# KiCad board VNA.kicad_pcb (continued)
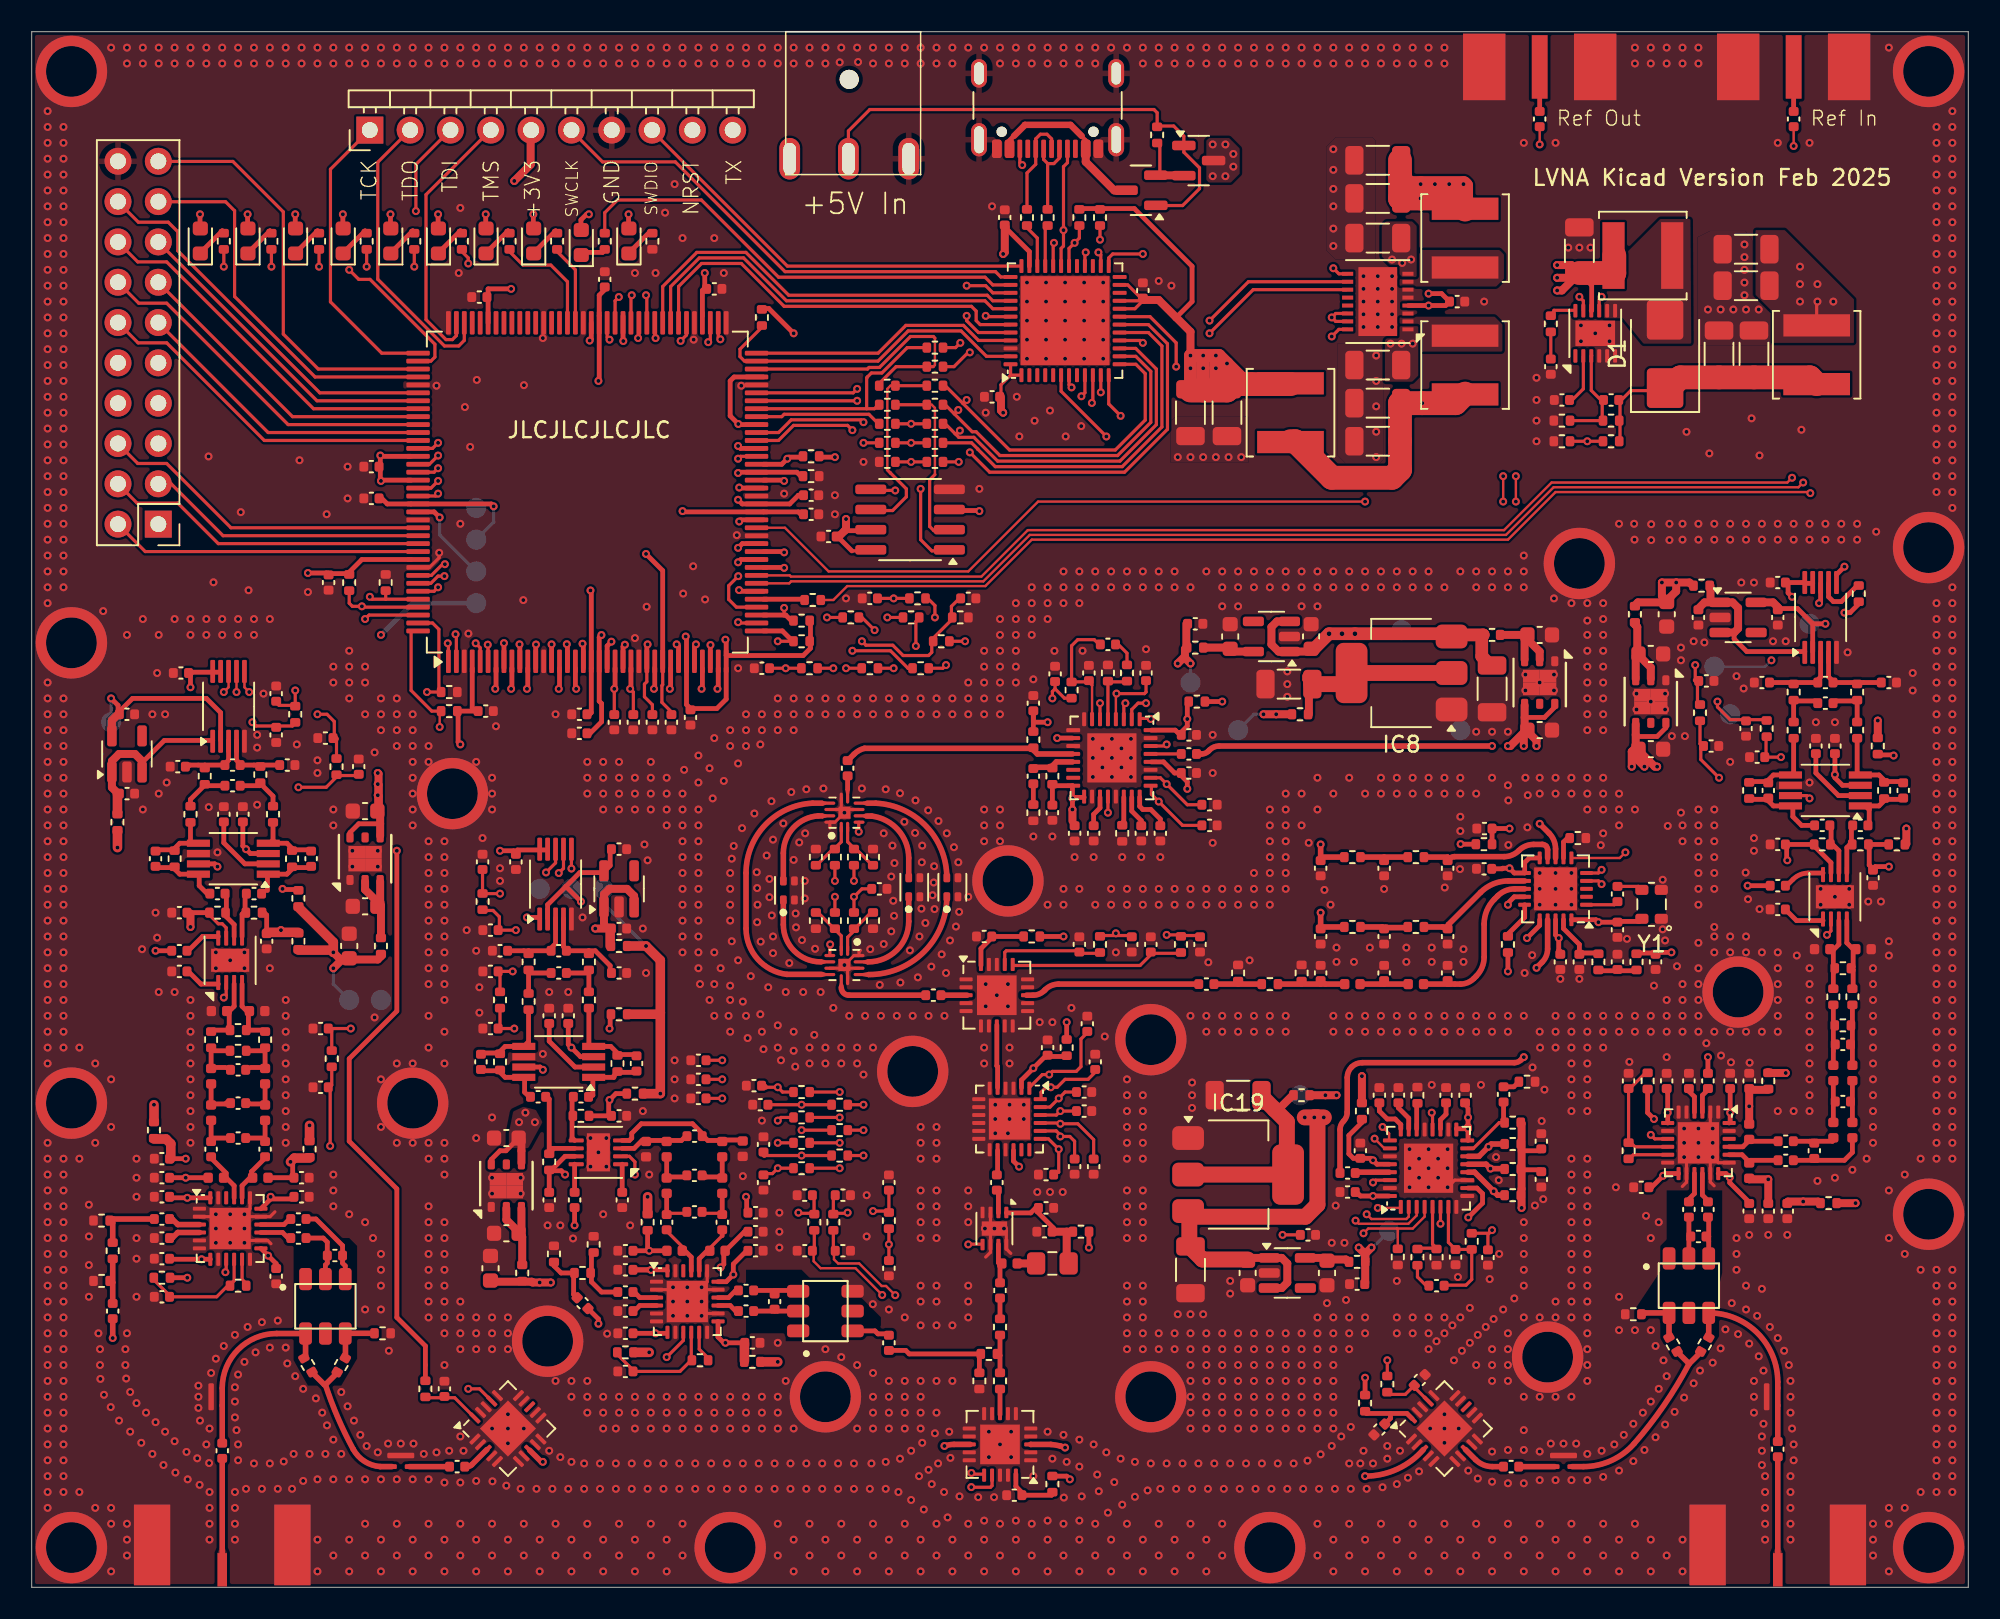
[diagram p0: board, top side]
## Routing (per net, layer and track width the routed paths; a pad name or vN(x,y) marks a point on that pad's centre or on a via; arc(x,y) is an arc through that point) (continued)
Net-(C130-Pad1): length 3.5
  Top w0.2: 13.65,32.6 13.8,32.75
  Top w0.3: 13.56,33.8 14.56,33.8 14.7,33.94 14.7,32.75 13.8,32.75
Net-(C130-Pad2): length 3.5
  Top w0.2: 11.3,33.85 11.35,33.8 ; 12.35,32.6 12.2,32.75
  Top w0.3: 11.3,33.94 11.3,32.75 12.2,32.75 ; 11.35,33.8 12.44,33.8
Net-(C133-Pad2): length 2.2
  Top w0.35: 93.76,7.6 R40.2
Net-(C136-Pad1): length 7
  Top w0.35: J3.1 110,8.14
Net-(C149-Pad2): length 5.2
  Top w0.3: 111,53.44 111,51.32 110.85,51.17 109.73,51.17 109.4,50.85 109.4,50.76 108.2,50.76
Net-(C150-Pad1): length 5.3
  Top w0.3: 115,53.44 115,51.32 115.15,51.17 116.38,51.17 116.7,50.85 116.7,50.76 117.9,50.76
Net-(C156-Pad1): length 11
  Top w0.5: 108.2,25.7 108.2,25.7 v1(109.4,25.7) 109.4,24.26 ; 108.2,29.25 v1(108.2,30.3) 108.2,31.34 109.4,31.34
  In3.Cu w0.5: v1(108.2,30.3) 108.2,26.9 v1(109.4,25.7)
Net-(C157-Pad2): length 4.7
  Top w0.3: 114.7,28.25 114.7,27.4 114.2,26.9 111.06,26.9
Net-(C158-Pad1): length 2.8
  Top w0.3: 112.44,55.7 112.3,55.84 111,55.84 111,54.56
Net-(C158-Pad2): length 2.8
  Top w0.3: 115,54.56 115,55.84 113.7,55.84 113.56,55.7
Net-(C160-Pad2): length 2.5
  Top w0.3: 111.06,28.1 113.45,28.1 113.45,28.2
Net-(C165-Pad1): length 2.5
  Top w0.3: 114.7,29.35 114.7,31.85
Net-(C165-Pad2): length 2.5
  Top w0.3: 113.5,29.35 113.5,31.85
Net-(C167-Pad1): length 3.7
  Top w0.3: 114.7,36.64 114.7,32.95
Net-(C167-Pad2): length 3.7
  Top w0.3: 113.5,36.64 113.5,32.95
Net-(C173-Pad2): length 5.3
  Top w0.3: 31.3,36.34 31.3,34.37 IC32.5 29.83,34.07 29.5,33.75 29.5,33.66 28.3,33.66
Net-(C174-Pad1): length 5.4
  Top w0.3: 35.1,36.44 35.1,34.22 35.25,34.07 ; 38.1,33.56 36.9,33.56 36.9,33.65 36.47,34.07 35.35,34.07
Net-(C183-Pad1): length 3.7
  Top w0.3: 35.4,21.04 35.26,20.9 35.26,19.24 35.9,18.6 36.84,18.6
Net-(C184-Pad1): length 2.8
  Top w0.3: 32.64,38.7 31.35,38.7 31.35,38.79 ; 31.3,37.46 31.3,38.84
Net-(C184-Pad2): length 2.7
  Top w0.3: 35.05,38.79 35.05,38.7 33.76,38.7 ; 35.1,37.56 35.1,38.84
Net-(C190-Pad1): length 11
  Top w0.3: 37.96,21.2 v1(38.9,21.2) ; v1(38.9,21.2) 38.8,21.3 38.8,22.44 ; v1(38.9,21.2) 39.95,21.2 ; 45.04,22.4 44.9,22.4 43.75,21.25 ; v1(43.4,20.15) 43.6,20.35 43.6,21.05
  In3.Cu w0.6: v1(43.4,20.15) 42.35,21.2 v1(38.9,21.2)
Net-(C191-Pad2): length 2.3
  Top w0.2: 43.5,23.56 42.4,23.56
  Top w0.3: 43.5,23.56 43.5,24.75
Net-(C192-Pad2): length 2.3
  Top w0.2: 40,23.56 41.1,23.56
  Top w0.3: 40,23.56 40,24.75
Net-(C196-Pad1): length 2.4
  Top w0.3: 43.5,27.05 43.5,25.85 42.5,25.85 42.4,25.95 42.31,25.95
Net-(C196-Pad2): length 2.4
  Top w0.3: 40,27.05 40,25.85 41.09,25.85 41.19,25.95
Net-(C270-Pad2): length 3.3
  Top w0.3: 32.9,20.44 32.9,20.25 33.35,19.8 34.14,19.8 34.14,18.45 34.35,18.24
Net-(IC22-IN+): length 4.3
  Top w0.3: 11.34,35.1 12.44,35.1 12.44,36.21 12.35,36.3 12.45,36.3 12.75,36.6 12.75,38
Net-(IC22-IN-): length 4.3
  Top w0.3: 13.65,36.3 13.65,35.19 13.56,35.1 14.66,35.1 ; 13.25,38 13.25,36.6 13.55,36.3 13.65,36.3
Net-(IC22-LO+): length 2.3
  Top w0.3: 11.75,41 10.76,41 9.86,40.1
Net-(IC22-LO-): length 2.2
  Top w0.3: 11.75,38 10.66,38 9.86,38.8
Net-(IC22-OUT+): length 2.9
  Top w0.3: 12.26,43.7 12.26,42.24 12.75,41.75 12.75,41
Net-(IC22-OUT-): length 2.8
  Top w0.3: 13.25,41 13.25,42.4 13.35,42.5 13.44,42.5 13.44,43.7
Net-(IC22-VCC): length 14.4
  Top w0.2: 12.25,41 12.25,41.55 12,41.8 11.75,41.8 11.14,42.41
  Top w0.3: 10,42.45 9.95,42.5 9.86,42.5 11.14,42.5 ; 14.8,41.26 14.8,42.35 14.65,42.5 14.56,42.5
  Top w0.5: 14.8,41.26 15.56,41.26 v1(15.7,41.4) ; 10,42.45 v1(10,41.6)
  Top w0.6: 16.8,41.26 14.8,41.26
  In3.Cu w0.6: v1(10,41.6) 15.5,41.6 v1(15.7,41.4)
Net-(IC23-+): length 4.5
  Top w0.3: 11.14,43.7 11.05,43.7 10.55,44.2 10.55,44.92 9.33,44.92 9,45.25 9,45.34 7.8,45.34
Net-(IC23--): length 4.4
  Top w0.2: 14.56,43.7 14.76,43.9 14.85,43.9
  Top w0.3: 17.6,45.34 16.4,45.34 16.4,45.25 16.08,44.92 14.85,44.92 14.85,43.9
Net-(IC23-V_{OCM}): length 4.5
  Top w0.3: 14.85,45.57 13.42,45.57 12.1,46.9 12.1,48.14
Net-(IC23-V_{S+}): length 7.7
  Top w0.3: 16.8,43.96 15.84,43.96 v1(15.8,44) ; 13.3,48.14 13.3,46.7 v1(13.5,46.5) 13.78,46.22 14.85,46.22
  In3.Cu w0.3: v1(15.8,44) 13.5,46.3 v1(13.5,46.5)
Net-(IC24-DETO): length 1.7
  Top w0.2: 13.25,20.67 13.25,19.4 13.56,19.09
Net-(IC24-IN+): length 2
  Top w0.3: 14.43,22.35 15.8,22.35 16.15,22 16.24,22
Net-(IC24-IN-): length 2
  Top w0.3: 16.24,23.2 15.89,22.85 14.43,22.85
Net-(IC24-LO-): length 2
  Top w0.35: 8.76,22 8.85,22 9.2,22.35 10.57,22.35
Net-(IC24-OUT+): length 3.2
  Top w0.3: 13.25,24.53 13.25,25.3 13.75,25.8 13.85,25.8 13.85,26.19 14.7,27.04
Net-(IC24-OUT-): length 3.2
  Top w0.3: 12.75,24.53 12.75,25.3 12.25,25.8 ; 12.25,25.8 12.25,26.09 11.3,27.04 ; 12.25,25.8 12.15,25.8
Net-(IC24-VPDT): length 28.7
  Top w0.3: 15.05,24.47 16.31,24.47 16.44,24.6 ; 15.05,24.47 v1(15.05,24.6) ; 15.05,24.47 14.43,23.85 ; 11.25,20.67 v1(10.7,20.67) 8.88,20.67 8.85,20.7 8.76,20.7 ; C106.1 15.4,20.38 v1(14.89,20.89) 14.43,21.35 ; 8.76,27 v1(9.7,27) ; 11.25,24.53 v1(9.8,24.53) 8.83,24.53 8.76,24.6
  Top w0.6: 7.7,28.24 8.46,28.24 8.76,27.94 8.76,27
  In3.Cu w0.6: v1(10.7,20.67) 10.93,20.89 v1(14.89,20.89) 14.89,24.44 v1(15.05,24.6) 14.98,24.53 v1(9.8,24.53) 8.9,25.43 8.9,26.2 v1(9.7,27)
Net-(IC24-VSET): length 7.3
  Top w0.2: 12.75,20.67 12.75,19.31 12.44,19 ; 12.35,19 11.65,18.3 8.76,18.3 7.64,19.42
Net-(IC25-EN): length 11.3
  Top w0.3: 6.95,52 7,52 8.35,53.35 11.4,53.35
  Top w0.5: 6.95,51.48 6.95,52.05 6.5,52.5 5.5,52.5 5.05,52.05 IC25.1 5.05,50.39 5.44,50
  Top w0.6: 5.44,50 5.4,49.96 5.4,48.76
Net-(IC25-OUT): length 13.3
  Top w0.3: 11.9,53.35 11.9,55.1 11,56 6.35,56 5.44,55.09 ; v1(5,56) 5.44,55.56 5.44,55
  Top w0.5: 5.05,53.52 5.05,54.61 5.44,55
  Bottom w0.2: TP17.1 v1(5,56)
Net-(IC26-AIN+): length 4.2
  Top w0.3: 10.9,51.8 12.09,51.8 12.4,52.11 12.4,53.35 ; 10.9,51.8 10.9,51.66 ; 10.9,51.8 9.95,51.8 9.85,51.7 9.76,51.7
Net-(IC26-AIN-): length 4
  Top w0.3: 12.9,53.35 12.9,52.11 13.21,51.8 15.54,51.8
Net-(IC27-IN+): length 4.6
  Top w0.3: 113.5,40.15 113.5,37.76 ; 113.5,40.15 113.85,40.5 113.85,42 ; 113.5,40.15 113.45,40.2 113.35,40.2
Net-(IC27-IN-): length 4.5
  Top w0.3: 114.75,40.2 114.85,40.2 ; 114.75,40.2 114.35,40.6 114.35,42 ; 114.75,40.2 114.75,39.09 114.66,39 114.75,38.91 114.75,37.81
Net-(IC27-LO+): length 2.6
  Top w0.3: 112.85,45 111.92,45 arc(111.4,44.89) 110.96,44.6 110.56,44.2
Net-(IC27-LO-): length 2.7
  Top w0.3: 112.85,42 111.18,42 C134.2
Net-(IC27-OUT+): length 3.3
  Top w0.3: 113.85,45 113.85,46.4 113.45,46.8 113.36,46.8 113.36,48
Net-(IC27-OUT-): length 3.2
  Top w0.3: 114.35,45 114.35,46.6 114.55,46.8 114.64,46.8 114.64,48
Net-(IC27-VCC): length 15.4
  Top w0.3: 113.35,45 113.35,45.65 112.2,46.8 ; v1(110.6,45.8) 110.56,45.84 110.56,46.8 112.24,46.8 ; 116.94,46.8 115.76,46.8 115.76,45.5 116,45.26 116.14,45.4 v1(117,45.4)
  In3.Cu w0.3: v1(117,45.4) 111,45.4 v1(110.6,45.8)
Net-(IC28-+): length 5.1
  Top w0.3: 108.2,49.64 109.4,49.64 109.4,49.55 109.73,49.22 110.85,49.22 110.95,49.13 110.95,48.55 111.5,48 112.24,48
Net-(IC28--): length 3.7
  Top w0.3: 115.7,49.22 116.38,49.22 116.7,49.55 116.7,49.64 117.9,49.64 ; 115.52,49.22 115.76,48.98 115.76,48
Net-(IC28-V_{OCM}): length 4.5
  Top w0.3: 115.15,49.87 113.83,49.87 112.4,51.3 112.4,52.44
Net-(IC28-V_{S+}): length 8.4
  Top w0.3: 115.15,50.52 114.08,50.52 113.6,51 v1(113.6,51.2) 113.6,52.44 ; v1(117.3,52.4) 117.26,52.44 116.3,52.44
  In3.Cu w0.3: v1(113.6,51.2) 114.8,52.4 v1(117.3,52.4)
Net-(IC29-DETO): length 2.6
  Top w0.2: 103.07,27.25 100.91,27.25 100.6,26.94
Net-(IC29-IN+): length 1.9
  Top w0.3: 104.75,26.07 104.75,24.8 104.4,24.45 104.4,24.36
Net-(IC29-IN-): length 1.9
  Top w0.3: 105.6,24.36 105.25,24.71 105.25,26.07
Net-(IC29-LO+): length 1.6
  Top w0.3: 105.25,29.93 105.25,30.99 105.6,31.34
Net-(IC29-LO-): length 1.6
  Top w0.3: 104.75,29.93 104.75,30.9 104.4,31.25 104.4,31.34
Net-(IC29-OUT+): length 3.2
  Top w0.3: 109.94,26.9 108.3,26.9 108.2,26.8 107.75,27.25 106.93,27.25
Net-(IC29-OUT-): length 3.1
  Top w0.3: 106.93,27.75 107.8,27.75 108.12,28.08 ; 108.15,28.1 109.94,28.1
Net-(IC29-VPDT): length 29
  Top w0.3: 106.93,29.25 107,29.32 v1(107,29.9) 107,31.34 ; 101.96,25.2 102.05,25.2 v1(102.77,25.92) 102.92,26.07 103.75,26.07 ; 106.25,26.07 106.73,26.07 v1(106.98,25.82) 106.98,25.48 108.2,24.26 ; 103.07,29.25 v1(103.07,29.9) 103.07,31.18 103,31.25 103,31.34
  Top w0.5: 112.64,24.2 112.54,24.3 v1(111.6,24.3) 110.64,24.3 110.6,24.26
  In3.Cu w0.5: v1(102.77,25.92) 103.4,26.55 103.45,26.55 ; v1(107,29.9) 107,25.85 v1(106.98,25.82) ; v1(111.6,24.3) 108.5,24.3 v1(106.98,25.82) ; v1(106.98,25.82) 104.17,25.82 103.45,26.55 ; 103.45,26.55 103.07,26.93 v1(103.07,29.9)
Net-(IC29-VSET): length 7.4
  Top w0.2: 101.72,32.46 100.6,31.34 100.6,28.1 ; 103.07,27.75 101,27.75 100.65,28.1
Net-(IC30-EN): length 11.5
  Top w0.3: 107.25,60.15 107.25,59.75 108.05,58.95 111.7,58.95
  Top w0.5: 105.76,63.1 105.76,62.09 105.8,62.05 ; 105.8,62.05 105.39,62.05 105,61.66 ; 105.8,62.05 107.15,62.05 107.5,61.7 107.5,60.4 107.25,60.15 106.48,60.15
Net-(IC30-OUT): length 7.8
  Top w0.3: 112.2,58.95 112.2,60.7 ; 112.2,60.7 v1(113,60.7) ; 112.2,60.7 111.24,61.66 110,61.66
  Top w0.5: 110,61.66 110,61.75 109.7,62.05 108.52,62.05
  Bottom w0.2: TP18.1 v1(113,60.7)
Net-(IC31-AIN+): length 4.8
  Top w0.3: 112.44,57 109.56,57 ; 112.7,58.95 112.7,57.35 112.44,57.09
Net-(IC31-AIN-): length 5
  Top w0.3: 113.2,58.95 113.2,57.36 113.56,57 116.44,57
Net-(IC32-+): length 4.3
  Top w0.3: 31.34,30.9 31.05,31.19 31.05,32.12 29.83,32.12 29.5,32.45 29.5,32.54 28.3,32.54
Net-(IC32--): length 4.3
  Top w0.3: 38.1,32.44 36.9,32.44 36.67,32.21 36.67,32.12 35.35,32.12 35.35,31 35.26,31 35.16,30.9
Net-(IC32-V_{OCM}): length 4.5
  Top w0.3: 32.6,35.44 32.6,34.4 34.22,32.77 35.35,32.77
Net-(IC32-V_{S+}): length 6.9
  Top w0.3: 36.44,36.1 36.44,35.24 v1(36.4,35.2) ; 35.35,33.42 34.58,33.42 v1(34,34) 33.8,34.2 33.8,35.44
  In3.Cu w0.3: v1(36.4,35.2) 35.2,34 v1(34,34)
Net-(IC33-DETO): length 1.9
  Top w0.2: IC33.11 42.05,15 42.66,14.39
Net-(IC33-IN+): length 1.4
  Top w0.3: 44.44,17.4 44.35,17.4 44,17.75 43.23,17.75
Net-(IC33-IN-): length 1.4
  Top w0.3: 43.23,18.25 43.9,18.25 44.35,18.7 44.44,18.7
Net-(IC33-LO+): length 1.6
  Top w0.3: 37.96,18.6 38.31,18.25 39.37,18.25
Net-(IC33-LO-): length 1.6
  Top w0.3: 39.37,17.75 38.31,17.75 37.96,17.4
Net-(IC33-OUT+): length 3.1
  Top w0.2: 42.65,21.3 43.5,22.15
  Top w0.3: 43.5,22.15 43.5,22.44 ; 42.05,19.93 42.05,20.7 42.55,21.2 42.65,21.2
Net-(IC33-OUT-): length 3.1
  Top w0.2: 41.05,21.39 40,22.44
  Top w0.3: 41.55,19.93 41.55,20.8 41.05,21.3 41.05,21.39
Net-(IC33-VPDT): length 33.2
  Top w0.3: C175.1 v1(43.7,15.4) 43.6,15.4 43.23,15.77 43.23,16.75 ; 37.96,16 v1(39.3,16) 39.98,16 ; 45.04,23.6 45.04,24.56 v1(45,24.6) ; v1(39.01,19.99) 37.97,19.99 ; 40.05,19.93 39.98,20 37.96,20 ; 43.23,19.25 43.75,19.25 v1(44.2,19.7) 44.2,20.36 45.04,21.2
  Top w0.6: 44.9,15.38 44.9,14.26
  In3.Cu w0.6: v1(44.2,19.7) 44.2,17.1 43.1,16 ; v1(44.2,19.7) 44.2,23.8 v1(45,24.6) ; v1(44.2,19.7) 44.2,19.2 43.2,19.2 42.41,19.99 v1(39.01,19.99) ; 43.1,16 v1(39.3,16) ; 43.1,16 v1(43.7,15.4)
Net-(IC33-VSET): length 7.2
  Top w0.2: 36.85,14.71 37.96,13.6 40.84,13.6 41.54,14.3 ; IC33.10 41.55,14.31
Net-(IC34-EN): length 12.6
  Top w0.3: 32,42.15 31.95,42.2 v1(31.2,42.2) ; 36.44,41.5 36.14,41.8 36.05,41.8
  Top w0.5: 36.44,41.5 v1(35.5,41.5) ; 36.05,41.8 36.05,43.65 36.4,44 37.5,44 37.95,43.55 37.95,42.98
  Top w0.6: 36.44,41.5 36.44,40.4
  In3.Cu w0.6: v1(35.5,41.5) 31.9,41.5 v1(31.2,42.2)
Net-(IC34-OUT): length 9
  Top w0.3: 32.5,42.15 32.5,43 33.65,44.15 ; 36.44,46.5 36.44,45.46 36,45.02 34.52,45.02 33.65,44.15 ; v1(34.6,43.2) 33.65,44.15
  Bottom w0.2: 34,43.8 v1(34.6,43.2)
Net-(IC35-AIN+): length 4.8
  Top w0.3: 31.3,40.1 32.64,40.1 ; 31.3,40.1 31.3,39.96 ; 31.3,40.1 30.06,40.1 ; 32.64,40.19 33,40.55 33,42.15
Net-(IC35-AIN-): length 5.8
  Top w0.3: 35.1,40.1 33.76,40.1 33.5,40.36 33.5,42.15 ; 35.1,40.1 35.5,40.1 36.44,39.16 36.44,38.7 ; 35.1,40.1 35.1,39.96
Net-(IC36-IN+): length 4.5
  Top w0.3: 41.2,28.42 40.93,28.15 38.9,28.15 ; 38.9,28.15 38.45,28.15 37.95,27.65 37.2,27.65 ; 38.9,28.15 38.7,28.15
Net-(IC36-IN-): length 8.6
  Top w0.3: 42.32,28.51 41.63,29.2 38.4,29.2 37.8,28.6 37.8,28.3 37.65,28.15 37.2,28.15 ; 43.53,28.18 44.73,28.18 L52.1 ; 42.32,28.42 42.59,28.15 43.5,28.15
Net-(IC36-LO+): length 1.7
  Top w0.3: 34.2,24.96 34.2,26.65 34.2,26.65
Net-(IC36-LO-): length 1.7
  Top w0.3: 37.2,24.96 37.2,25.05 37.2,25.05 37.2,26.65
Net-(IC36-OUT+): length 5.4
  Top w0.3: 34.2,27.65 32.8,27.65 32.8,27.56 32.6,27.36 32.6,30.76 32.46,30.9
Net-(IC36-OUT-): length 2.8
  Top w0.3: 34.2,28.15 34.04,28.31 34.04,30.9
Net-(IC36-VCC): length 13.7
  Top w0.3: 32.6,24.96 32.6,26.24 33.36,26.24 v1(33.6,26) ; 37.44,31.1 36.8,31.1 v1(36.4,30.7) 36.35,30.65 36.35,29.79 36.44,29.7 35.16,29.7 ; 32.69,26.24 33.6,27.15 34.2,27.15
  In3.Cu w0.3: v1(33.6,26) 33.6,27.9 v1(36.4,30.7)
Net-(R40-Pad1): length 12.5
  Top w0.35: 104.4,14.06 104.4,14.1 103.68,14.82 ; 104.4,14.06 105.12,14.78 ; 104.4,14.06 arc(102.82,11.45) 100.95,9.05 arc(99.51,7.98) 97.75,7.6 R40.1
Net-(R45-Pad2): length 9.4
  Top w0.35: 18.5,12.76 19.22,13.48 ; 18.5,12.76 18.43,12.76 17.68,13.52 ; 18.5,12.76 18.5,12.76 arc(19.28,10.69) 20.25,8.7 arc(20.96,7.93) 21.96,7.6 22.7,7.6
Net-(T1-IN+): length 5.1
  Top w0.3: T1.3 19.75,20.25 19.58,20.42 C107.1 19.58,21.52 17.9,23.2 17.36,23.2
Net-(T1-IN-): length 3.7
  Top w0.3: T1.2 18.5,20.3 18.62,20.42 C107.2 18.62,21.74 18.36,22 17.36,22
Net-(T1-OUT+): length 3.3
  Top w0.35: 19.77,14.5 19.77,16 21.54,16
Net-(T1-OUT-): length 12.2
  Top w0.35: C99.2 R48.2 R48.1 arc(13.01,14.98) 15.44,15.98 T1.6 17.25,14.61 17.12,14.48
Net-(T2-IN+): length 2.6
  Top w0.3: 105.56,22.1 105.65,22.1 ; 105.65,22.1 105.65,23.1 105.6,23.15 105.6,23.24 ; 105.65,22.1 T2.3
Net-(T2-IN-): length 2.5
  Top w0.3: T2.2 104.4,23.24
Net-(T2-OUT+): length 12
  Top w0.35: 105.65,15.81 T2.4 arc(108.73,16.01) 110,12.93 R47.1 R47.2 110,9.26
Net-(T2-OUT-): length 3.2
  Top w0.35: 103.15,15.81 T2.6 101.64,17.28 101.55,17.2 101.46,17.2
Net-(T3-IN+): length 2.8
  Top w0.3: 46.8,18.56 46.8,18.7 ; 46.8,18.7 48.23,18.7 ; 46.8,18.7 45.56,18.7
Net-(T3-IN-): length 2.7
  Top w0.3: 45.56,17.4 T3.2
Net-(T3-OUT-): length 2.4
  Top w0.3: 54,15.96 53.31,15.96 53.12,16.15 T3.6
Net-(U2A-IO_L1N_VREF_0): length 24.3
  Top w0.2: 28.4,43.76 28.4,45.14 ; 23.9,60.75 25.25,60.75 25.65,60.35 25.65,56.49 ; 28.46,43.7 v1(29.5,43.7) ; v1(24.9,56.4) 25.74,56.4
  In3.Cu w0.15: v1(24.9,56.4) 30.3,51 30.3,44.5 v1(29.5,43.7)
Net-(U2A-IO_L1P_HSWAPEN_0): length 28.2
  Top w0.15: 25.7,55.15 v1(25.7,54.2)
  Top w0.2: 23.9,60.25 23.9,56.5 25.2,55.2 25.74,55.2 ; 29.5,38.75 29.5,37.56 ; 29.46,38.8 v1(30.3,38.8)
  In3.Cu w0.15: v1(25.7,54.2) 26.6,54.2 30,50.8 30,46.1 29.8,45.9 29.2,45.9 28.9,45.6 28.9,40.2 v1(30.3,38.8)
Net-(U2A-IO_L2N_0): length 16.3
  Top w0.2: 23.9,61.75 20.85,61.75 v1(20.8,61.8) 20.2,61.8 20,62 20,62.74 ; 19.06,53.5 19.06,54.54 18.6,55 v1(18,55) ; 19.2,53.45 19.2,52.26
  Top w0.3: 19.2,53.45 19.15,53.5 19.06,53.5
  In3.Cu w0.2: v1(18,55) 18,59 v1(20.8,61.8)
Net-(U2A-IO_L3P_0): length 13.7
  Top w0.2: 23.9,62.25 22.3,62.25 ; 22.3,62.25 21.45,62.25 v1(21.3,62.4) ; 22.3,62.25 22.3,62.74 ; v1(16.6,56.5) 16.6,55.56 15.58,55.56 15.4,55.74
  In3.Cu w0.2: v1(21.3,62.4) 20.5,62.4 16.6,58.5 v1(16.6,56.5)

## Copper pours and planes (outline as drawn; the poured copper is in the pictures)
+5V on Top: 87.35,76.34 86.96,75.95 85.25,75.95 85.25,78.56 86.14,79.45 87.35,79.45
+5V on Top: 76.1,90.64 76.1,89.06 75.54,88.5 74.16,88.5 74,88.66 74,91.14 74.16,91.3 75.44,91.3
+5V on Top: 87.25,85.76 87.25,82.55 86.34,82.55 85.05,83.84 85.05,85.76 85.34,86.05 86.96,86.05
+5V on In3.Cu: 96.83,84.15 96.83,81.25 92.57,76.98 84.07,76.99 71.55,90.07 58.15,90.07 56.67,88.38 46.5,88.42 46.48,89.45 46.48,94.95 47.25,95.72 85.25,95.72
+6V on Top: 114.8,81.14 114.8,78.4 109.6,78.4 109.6,80.4 108.6,81.4 108.6,85.5 110.44,85.5
+6V on Top: 30.06,27.67 31.28,27.66 32.18,29.3 31.76,30.07 30.97,30.27 30.33,29.97 30.06,28.62
+6V on In4.Cu: 118.75,79.25 118.75,60.5 108.73,49.92 101.19,49.79 99.42,51.54 94.05,51.54 92.64,52.82 92.63,53.13 93.17,53.67 96.03,53.67 96.63,53.07 106.97,53.07 114.92,61.03 114.92,75.97 110.92,79.97 110.92,84.07 114.03,84.07
+6V on In4.Cu: 118.75,79.25 115.25,75.64 101.77,89.12 12.43,89.12 9.88,86.57 9.88,53.83 11.13,52.57 21.43,52.57 22.58,51.43 22.58,40.13 32.67,30.03 32.67,28.97 32.03,28.32 26.97,28.32 3.25,52.97 3.25,94.75 118.75,94.75
GND on Top: 108.4,84.86 108.4,81.4 109.55,80.26 109.55,78.25 104.95,78.25 104.95,85.06 105.74,85.45 107.96,85.45
GND on Top: 84.65,91.16 84.65,83.65 82.14,83.65 81.55,84.24 81.55,90.76 82.14,91.35 84.46,91.35
GND on Top: 76.65,70.85 71.75,70.85 71.75,73.46 72.04,73.75 76.65,73.75
GND on Top: 85.15,77.86 85.15,71.04 84.86,70.75 82.84,70.75 82.25,71.34 82.25,78.35 84.96,78.35
GND on Top, Bottom, In1.Cu, In2.Cu, In3.Cu, In4.Cu: 127.5,-6 -7.5,-6 -7.5,104 127.5,104
VCCINT on In4.Cu: 90.88,88.63 90.88,87.87 85.43,83.17 50.93,83.17 41.77,73.27 41.77,66.87 37.23,62.32 33.47,62.32 28.42,67.37 28.42,70.53 47.17,88.77 90.23,88.77
+5V/4 on In3.Cu: 84.17,60.1 84.17,49.17 82.45,47.54 82.45,30.04 81.63,29.12 80.17,29.12 79.55,29.8 79.51,51.01 81.13,52.93 81.13,60.2 81.47,60.54 83.73,60.54
/Power Supply/VREG3V3_SW on Top: 92.65,79.56 92.65,77.85 87.44,77.85 86.15,79.14 86.15,80.05 92.16,80.05
/Power Supply/VREG6V_SW on Top: 104.5,86.2 104.55,78.35 101.54,78.35 100.24,79.95 99.05,79.95 99.05,82.66 102.6,86.2
/Power Supply/VREGINT_SW on Top: 92.75,83.96 92.75,82.44 92.26,81.95 86.15,81.95 86.15,82.76 87.64,84.25 92.46,84.25

Small or netless copper shapes (teardrops, artwork), in the pictures only: 12 on Top

## Text on the board
B.Silkscreen: +5V | GND | +1V8 | TCK | TDO | TDI | TMS | +3V3 | SWCLK | SWDIO | NRST | TX | +6V | +1V2 | Port 1 | Port 2 | Ref Out | Ref In
F.Silkscreen: SWCLK | SWDIO | Ref Out | Ref In | TCK | TDO | TDI | TMS | +3V3 | GND | NRST | TX | JLCJLCJLCJLC | LVNA Kicad Version Feb 2025 | +5V In
